# Allegro board FRDM-A-S32K356_PCBLayout.brd
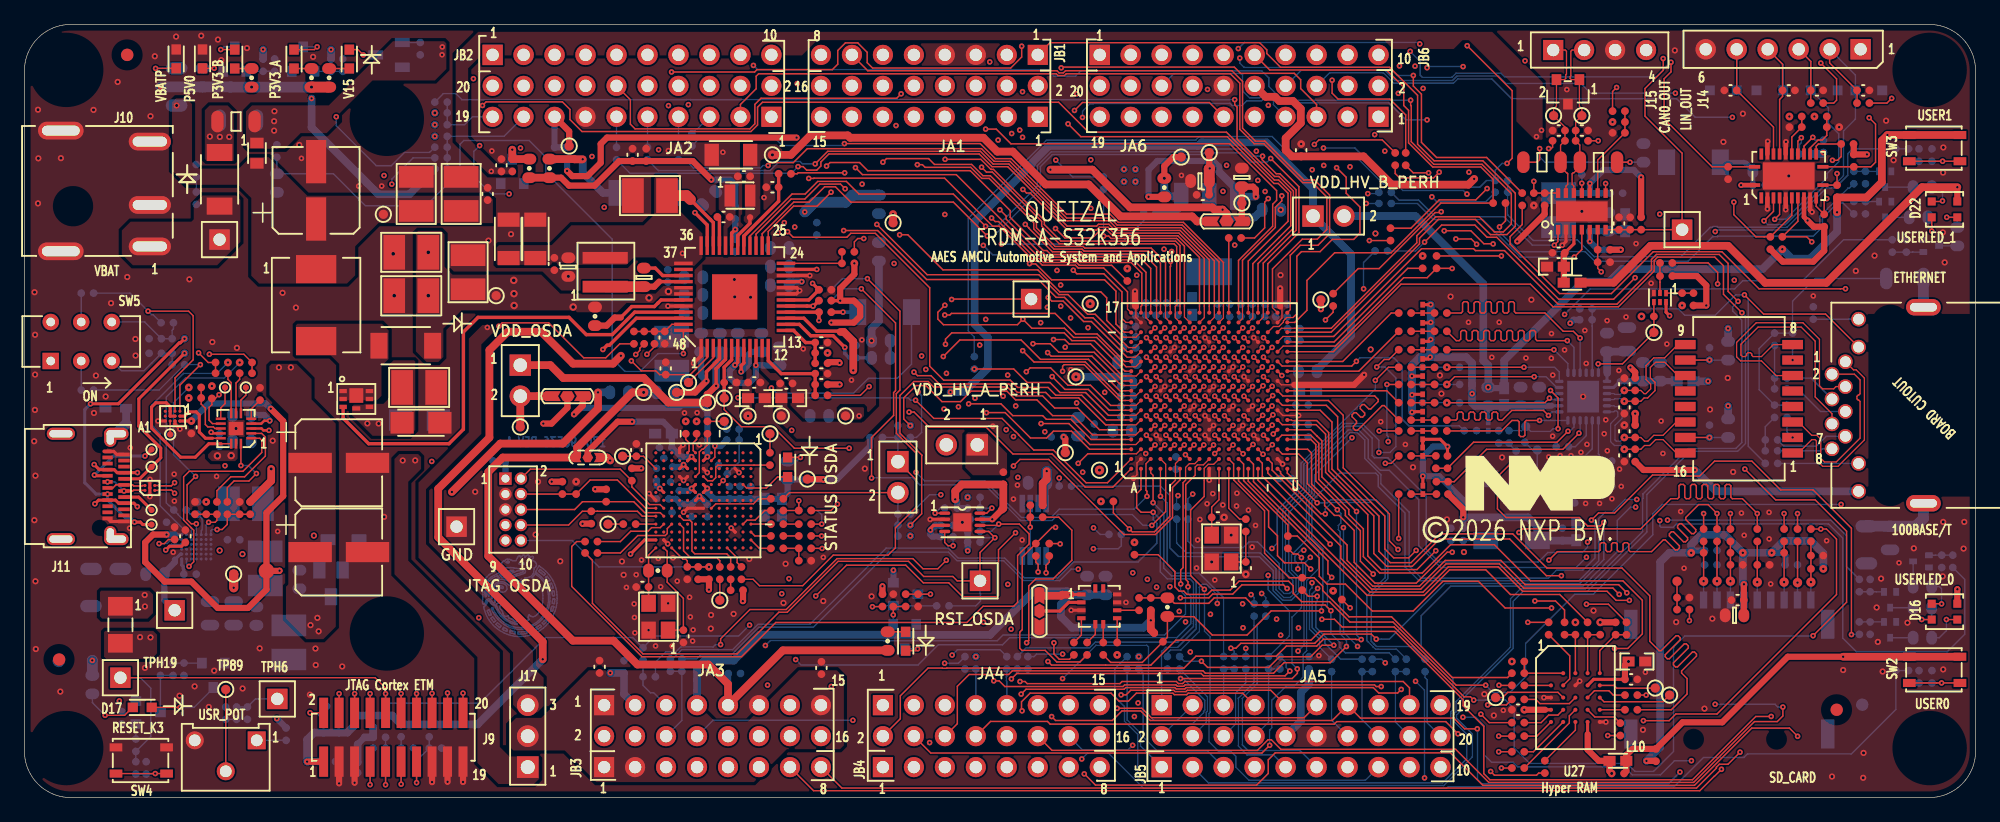
[diagram p0: board, top side]
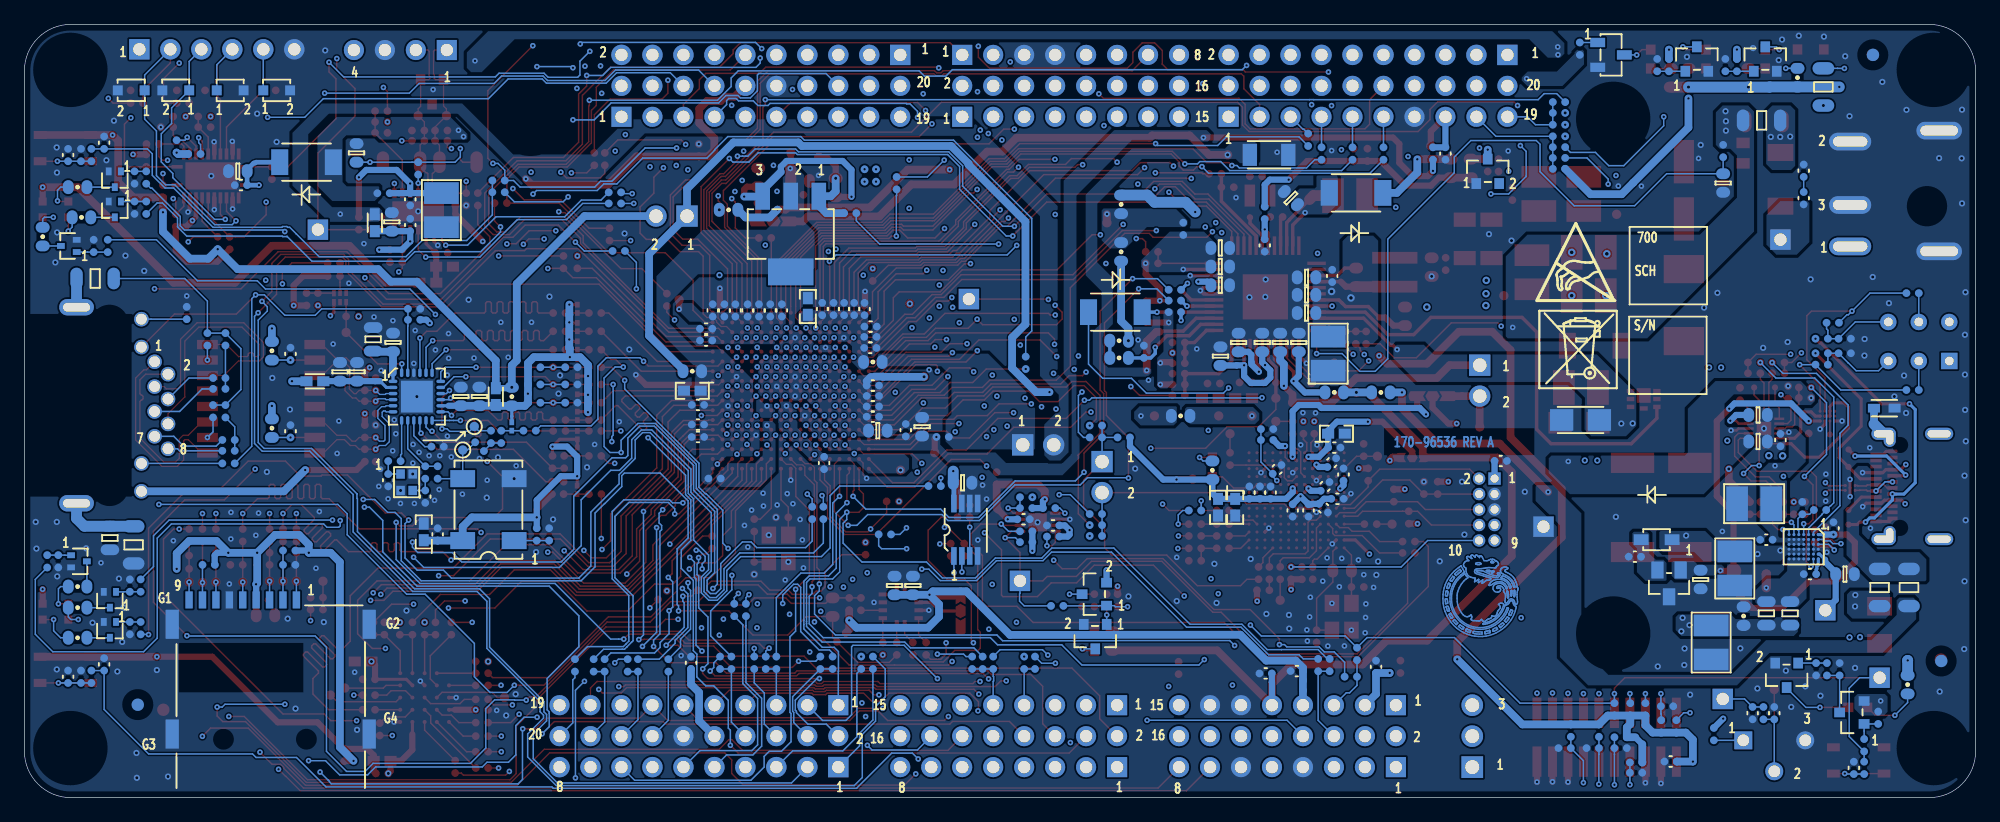
[diagram p1: board, bottom side, seen from below]

Outline 159.99 x 63.42 mm; copper layers: TOP, L2_GND_1, L3_INT_1, L4_INT_2, L5_PWR_1, BOTTOM. Coordinates in mm from the lower left corner of the outline.
Outline path: 0,59.61 0,3.81 arc(1.12,1.12) 3.81,0 156.18,0 arc(158.88,1.12) 159.99,3.81 159.99,59.61 arc(158.88,62.31) 156.18,63.42 3.81,63.42 arc(1.12,62.31) 0,59.61

## Design rules (mm)
constraint set DEFAULT: min track width 0.118
net group ACC_WAKE_UP: nets ACC_WAKE_UP PTE24
net group CAN0_ERRN: nets CAN0_ERRN PTA11
net group CAN0_RX: nets CAN0_RX PTA6
net group CAN0_TX: nets CAN0_TX PTA7
net group CAN0_WAKE: nets CAN0_WAKE PTE25
net group DP1: nets CAN_H_OUT CAN_L_OUT
net group EN_SNK: nets EN_SNK USBC_EN_SNK1
net group EN_SRC: nets EN_SRC USBC_EN_SRC1
net group ENET_CON_RX: nets ENET_CON_RXN ENET_CON_RXP
net group ENET_CON_TX: nets ENET_CON_TXN ENET_CON_TXP
net group ENET_RX: nets ENET_RXN ENET_RXP
net group ENET_TX: nets ENET_TXN ENET_TXP
net group EPHY_ANEN_S: nets EPHY_ANEN_S N31273886
net group FS26_FCCU1: nets FS26_FCCU1 PTE15
net group FS26_FCCU2: nets FS26_FCCU2 PTE16
net group FS26_FS0B: nets FS26_FS0B PTD23
net group FS26_FS1B: nets FS26_FS1B PTD24
net group FS26_INTB: nets FS26_INTB PTE18
net group FS26_VMONEXT_0V8: nets FS26_VMONEXT_0V8 N31253599
net group FS26_VPRE: nets N31252632 VPRE_SW
net group LD_NFLT: nets LD_NFLT LD_NINT
net group LED_BLUE_0: nets LED_BLUE_0 N31281323
net group LED_BLUE_1: nets LED_BLUE_1 N31950383
net group LED_GREEN_0: nets LED_GREEN_0 N31281236
net group LED_GREEN_1: nets LED_GREEN_1 N31950366
net group LED_RED_0: nets LED_RED_0 N31281170
net group LED_RED_1: nets LED_RED_1 N31950347
net group LIN1_OUT: nets LIN1_OUT LIN_1_OUT
net group LIN1_RX: nets LIN1_RX PTB9
net group LIN1_TX: nets LIN1_TX PTB10
net group LIN2_OUT: nets LIN2_OUT LIN_2_OUT
net group LIN2_RX: nets LIN2_RX PTE5
net group LIN2_TX: nets LIN2_TX PTE4
net group LIN3_RX: nets LIN3_RX PTH5
net group LIN3_TX: nets LIN3_TX PTH4
net group LIN4_RX: nets LIN4_RX PTH7
net group LIN4_TX: nets LIN4_TX PTH6
net group N31252925: nets N31252925 N31929135
net group N31264311: nets N31264311 N31264589
net group N31266068: nets N31266043 N31266068
net group N31282766: nets N31282741 N31282766
net group N32028656: nets N32028656 N32028686
net group POWER_EN: nets N31265953 POWER_EN
net group PTB14: nets N31295922 PTB14
net group PTB15: nets N31295924 PTB15
net group PTB16: nets N31295926 PTB16
net group PTB17: nets N31295928 PTB17
net group PTB21: nets N31297074 PTB21
net group PTB30: nets N31953777 PTB30
net group PTC0: nets PTC0 QSPI_IO4
net group PTC1: nets PTC1 QSPI_A_RDS
net group PTC2: nets PTC2 QSPI_IO3
net group PTC17: nets PTC17 QSPI_IO7
net group PTD13: nets N31297068 PTD13
net group PTE19: nets N31953748 PTE19
net group PTH11: nets PTH11 TEMP_ALERT
net group QSPI_A_CS: nets PTC3 QSPI_A_CS
net group QSPI_IO0: nets QSPI_IO0 QSPI_IO0_PTD11
net group QSPI_IO1: nets QSPI_IO1 QSPI_IO1_PTD7
net group QSPI_IO2: nets QSPI_IO2 QSPI_IO2_PTD12
net group QSPI_IO5: nets QSPI_IO5 QSPI_IO5_PTD9
net group QSPI_IO6: nets QSPI_IO6 QSPI_IO6_PTD8
net group QSPI_RST_PTA28: nets N31948194 QSPI_RST_PTA28
net group SDA_EXTAL_16MHZ: nets SDA_EXTAL_16MHZ SDA_XTAL_16MHZ
net group SDA_LVLRST_EN: nets N31264544 SDA_LVLRST_EN
net group SDA_SWD_EN: nets N31264611 SDA_SWD_EN
net group SDA_SWD_OE: nets N31264493 SDA_SWD_OE
net group SDA_USB_DN: nets SDA_USB_DN USB1_DN
net group SDA_USB_DP: nets SDA_USB_DP USB1_DP
net group USDHC_CLK: nets USDHC_CLK USDHC_CLK_PTA30
net group USDHC_CMD: nets PTB26 USDHC_CMD
net group USDHC_D0: nets USDHC_D0 USDHC_D0_PTA31
net group USDHC_D1: nets PTB18 USDHC_D1
net group USDHC_D2: nets PTB19 USDHC_D2
net group USDHC_D3: nets USDHC_D3 USDHC_D3_PTA29
net group USDHC_WP_RST_PTE12: nets N31949071 USDHC_WP_RST_PTE12
net group VTRG_FAULT_B: nets N31265932 VTRG_FAULT_B
net group XO: nets N31274488 XO
net group XTAL: nets N32010443 XTAL
net group ACC_I2C_SCL: nets ACC_I2C_SCL LD_I2C_SCL N31295856 PTC7 PTC28 TEMP_I2C_SCL USBC_I2C_SCL
net group ACC_INT2: nets ACC_I2C_SDA ACC_INT1 ACC_INT2 LD_I2C_SDA N31247271 N31295854 N31296996 PTB20 PTC6 PTC29 PTE3 PTH9 TEMP_I2C_SDA USBC_I2C_SDA
net group ADC_POT0: nets ADC_POT0 POT PTA17 PTC23
net group CAN0_EN: nets CAN0_EN N31953697 PTC21
net group CAN0_STB: nets CAN0_STB N31953719 PTC20
net group CON_CC1: nets CON_CC1 N31354711 USB_CC1_PD_OVP USBC_CC1
net group CON_CC2: nets CON_CC2 N31354733 USB_CC2_PD_OVP USBC_CC2
net group ENET_CON_NC4: nets ENET_CON_NC4 ENET_CON_NC5 ENET_CON_NC7 ENET_CON_NC8 ENET_CT1 ENET_CT2 N31272754 N31272878 N31273064
net group ENETPHY_MII_RMII_MDIO: nets ENETPHY_MII_RMII_MDIO EPHY_MDIO PTD16
net group ENETPHY_MII_RMII_RX_ER: nets ENETPHY_MII_RMII_RX_ER EPHY_PME_EN PTC16
net group ENETPHY_MII_RMII_RXD0: nets ENETPHY_MII_RMII_RXD0 EPHY_RXD0 PTC14
net group ENETPHY_MII_RMII_RXD1: nets ENETPHY_MII_RMII_RXD1 EPHY_RXD1 PTB24
net group ENETPHY_MII_RMII_TX_CLK: nets ENETPHY_MII_RMII_TX_CLK EPHY_REFCLK N31274490 N31275038 PHY_50MHZ PTC19 XI
net group ENETPHY_MII_RMII_TXD1: nets ENETPHY_MII_RMII_TXD1 EPHY_TXD1 PTB29
net group EPHY_INTR: nets EPHY_INTR EPHY_INTRP N31296976 PTB27 PTE14
net group EPHY_MDC: nets ENETPHY_MII_RMII_MDC EPHY_MDC PTD17
net group EPHY_TXD0: nets ENETPHY_MII_RMII_TXD0 EPHY_TXD0 PTC18
net group EPHY_TXEN: nets ENETPHY_MII_RMII_TX_EN EPHY_TXEN PTE9
net group FS26_AMUX: nets FS26_AMUX N31252562 PTD4
net group FS26_VDEBUG: nets FS26_VDEBUG N31252222 N31332732 N31332843
net group FS26_WAKE1_IN: nets CAN0_INH FS26_WAKE1_IN LIN_INH N31265091 N31296560 OPENSDA_UART_RX PTA8 PTA16 PTE1
net group GMAC0_MII_RMII_RX_DV_RGMII_RXCTL: nets EPHY_PHYAD GMAC0_MII_RMII_RX_DV_RGMII_RXCTL PTC15
net group OPENSDA_UART_TX: nets N31265119 N31296407 N31297028 OPENSDA_UART_TX PTA9 PTA15 PTA18 PTE0
net group PTA21: nets N31296516 N31945803 PTA21 PTE21
net group PTA26: nets N31297058 N32025830 PTA26 PTE8 QSPI_RSTO_PTA26
net group PTA27: nets N32025708 PTA27 QSPI_INT_PTA27
net group PTC12: nets N31297062 PTC12 PTD14
net group PTD15: nets N31297060 N31949063 PTD15 USDHC_CDETECT
net group PTE7: nets N31265786 N31282673 N31282693 N31296755 N31945805 PTE7 RESET_MCU
net group QSPI_A_SCK: nets N31948515 QSPI_A_SCK QSPI_SCK_PTD10
net group RGBLED0_BLUE: nets N31281558 PTG31 RGBLED0_BLUE
net group RGBLED0_GREEN: nets N31281745 PTG30 RGBLED0_GREEN
net group RGBLED0_RED: nets N31281862 PTG29 RGBLED0_RED
net group RGBLED1_BLUE: nets N31950420 PTF23 RGBLED1_BLUE
net group RGBLED1_GREEN: nets N31950474 PTF22 RGBLED1_GREEN
net group RGBLED1_RED: nets N31950528 PTF21 RGBLED1_RED
net group SDA_RST_TGTMCU: nets N31264574 N31266029 SDA_RST_TGTMCU
net group SDA_SWD_DIN: nets JTAG_TDI JTAG_TMS/SWD_DIO N31265287 N31265321 SDA_SWD_DIN SDA_SWD_DOUT
net group SDA_SWD_SCK: nets JTAG_TCLK/SWD_CLK N31265256 SDA_SWD_SCK
net group SDA_SWD_SWO: nets JTAG_TDO N31265204 SDA_SWD_SWO
net group USB1_VBUS_IN: nets N31247155
net group USER_SW0: nets N31281949 PTH1 USER_SW0
net group USER_SW1: nets N31282387 PTC31 PTH3 USER_SW1
net group VCORE_SW: nets N31252893
net group VRC_CTRL_MCU: nets N31256137 PTE13 VRC_CTRL_MCU

## Placement (name value [footprint] x y rotation side)
C1  0.22UF  [CC0402_25]  14.1 49.16 90 bottom
C2  10uF  [CC1210]  32.13 49.52 90 top
C3  0.22UF  [CC0402_25]  37.99 49.52 90 top
C4  10uF  [CC1210]  31.72 44.73 180 top
C5  10uF  [CC1210]  36.38 43.09 90 top
C6  47uF  [CCE6P8X6P8X8MM]  23.92 49.81 90 top
C7  10uF  [CC1210]  31.72 41.17 180 top
C8  0.22UF  [CC0402_25]  52.76 42.79 90 bottom
C9  0.22UF  [CC0402_25]  14.1 51.42 90 bottom
C10  1UF  [CC0603_OV]  20.7 50.41 270 bottom
C11  10uF  [CC1210]  32.37 33.64 0 top
C12  1UF  [CC0603_OV]  61.94 42.03 180 bottom
C13  0.22UF  [CC0402_25]  58.29 45.29 270 bottom
C14  4.7uF  [CC0603_OV]  56.15 49.18 45 bottom
C15  22uF  [CC1206_TOL0P3]  41.89 45.83 90 top
C16  0.22UF  [CC0402_25]  61.34 50.07 180 top
C17  22uF  [CC1206_TOL0P3]  39.7 45.83 90 top
C18  0.22UF  [CC0402_25]  43.46 43.77 270 top
C19  0.1uF  [CC0603_OV]  50.8 42.67 270 top
C20  1UF  [CC0603_OV]  61.94 45.09 180 bottom
C21  0.1uF  [CC0603_OV]  61.94 43.56 180 bottom
C22  10uF  [CC1210]  51.29 49.38 180 top
C23  0.047uF  [CC0402_25]  57.33 47.63 0 top
C24  22uF  [CC1206_TOL0P3]  57.94 52.72 180 bottom
C25  22uF  [CC1206_TOL0P3]  57.94 52.72 180 top
C26  0.22UF  [CC0402_25]  59 50.96 180 top
C27  0.01UF  [CC0402_25]  65.35 37.33 0 top
C28  0.01UF  [CC0402_25]  65.35 34.78 0 top
C29  1UF  [CC0603_OV]  58.49 37.33 90 bottom
C30  2.2uF  [CC0603_OV]  55.5 37.33 90 bottom
C31  2.2uF  [CC0603_OV]  57.02 37.33 90 bottom
C32  1UF  [CC0603_OV]  61.92 36.21 90 bottom
C33  10uF  [CC0603]  62.75 32.77 0 top
C34  0.22UF  [CC0402_25]  62.48 33.97 0 top
C35  10uF  [CC0603]  60.03 32.77 0 top
C36  0.22UF  [CC0402_25]  59.85 34.05 0 top
C37  2.2uF  [CC0603_OV]  60.43 37.33 90 bottom
C39  0.22UF  [CC0402_25]  39.12 51.87 90 top
C40  0.22UF  [CC0402_25]  49.87 52.72 90 top
C41  1UF  [CC0603_OV]  86.39 30.42 90 bottom
C42  0.22UF  [CC0402_25]  87.73 30.14 90 bottom
C43  10uF  [CC0603]  95.75 40.28 90 bottom
C44  0.22UF  [CC0402_25]  91.96 40.08 90 bottom
C45  0.22UF  [CC0402_25]  90.61 38.64 180 bottom
C46  0.22UF  [CC0402_25]  90.63 36.89 180 bottom
C47  0.22UF  [CC0402_25]  92.78 40.08 90 bottom
C48  0.22UF  [CC0402_25]  94.42 27.44 270 bottom
C49  2.2uF  [CC0603_OV]  90.01 30.1 180 bottom
C50  0.1uF  [CC0402_25]  90.42 32.09 180 bottom
C51  0.1uF  [CC0402_25]  90.42 33.8 180 bottom
C52  0.1uF  [CC0402_25]  90.42 31.25 180 bottom
C53  0.1uF  [CC0402_25]  90.42 32.95 180 bottom
C54  10uF  [CC0603]  105.23 33.38 0 bottom
C55  0.22UF  [CC0402_25]  104.77 29.58 0 bottom
C56  0.22UF  [CC0402_25]  104.77 30.6 0 bottom
C57  0.22UF  [CC0402_25]  104.77 32.21 0 bottom
C58  0.1uF  [CC0402_25]  104.09 37.5 0 bottom
C59  0.1uF  [CC0402_25]  98.83 39.96 90 bottom
C60  0.1uF  [CC0402_25]  102.6 39.96 90 bottom
C61  0.1uF  [CC0402_25]  97.89 39.96 90 bottom
C62  1UF  [CC0603_OV]  96.39 50.58 180 top
C63  0.22UF  [CC0402_25]  96.63 49.45 180 top
C64  2.2uF  [CC0603_OV]  99.83 50.87 90 top
C65  10pF  [CC0402_25]  100.15 18.82 270 top
C66  10pF  [CC0402_25]  97.86 22.99 0 top
C67  4.7uF  [CC1210]  21.68 12.72 270 bottom
C68  4.7uF  [CC1210]  19.75 18.8 270 bottom
C69  47uF  [CC1210]  18.16 24.11 0 bottom
C70  0.1uF  [CC0402_25]  17.16 21.15 0 bottom
C71  0.1uF  [CC0402_25]  11.66 22.09 90 bottom
C72  0.01UF  [CC0402_25]  13.58 18.33 0 bottom
C73  1000pF  [CC0402_25]  13.2 21.44 90 top
C74  4.7uF  [CC0603_OV]  10.71 18.33 180 bottom
C75  2.2uF  [CC0603_OV]  17.84 31.38 0 bottom
C76  4.7uF  [CC0603_OV]  17.84 29.21 180 bottom
C77  0.1uF  [CC0402_25]  16 29.33 270 bottom
C78  0.1uF  [CC0402_25]  27.94 19.76 0 bottom
C79  2.2uF  [CC0603_OV]  22.55 17.89 270 bottom
C80  0.1uF  [CC0402_25]  13.69 30.38 270 top
C81  0.22UF  [CC0402_25]  52.32 24.51 180 bottom
C82  0.22UF  [CC0402_25]  53.47 23.75 225 bottom
C83  0.22UF  [CC0402_25]  53.34 25.53 135 bottom
C84  0.22UF  [CC0402_25]  59.55 25.02 90 bottom
C85  0.22UF  [CC0402_25]  56 23.55 270 bottom
C86  0.22UF  [CC0402_25]  52.8 27.48 135 bottom
C87  10uF  [CC0603]  60.71 23.82 270 bottom
C88  10uF  [CC0603]  62.12 23.82 270 bottom
C89  0.22UF  [CC0402_25]  51.83 26.5 90 bottom
C90  0.22UF  [CC0402_25]  57.81 25.02 90 bottom
C91  0.22UF  [CC0402_25]  58.68 25.02 90 bottom
C92  0.22UF  [CC0402_25]  54.7 23.55 270 bottom
C93  10pF  [CC0402_25]  54.04 13.23 270 top
C94  10pF  [CC0402_25]  50.67 17.28 180 top
C95  10uF  [CC0603]  52.41 29.85 180 bottom
C96  0.22UF  [CC0402_25]  52.58 28.71 180 bottom
C97  0.22UF  [CC0402_25]  75.64 22.33 0 bottom
C98  0.22UF  [CC0402_25]  78.07 22.83 180 bottom
C99  0.1uF  [CC0402_25]  50.18 28.51 90 top
C100  0.22UF  [CC0402_25]  57.28 26.92 135 bottom
C101  0.22UF  [CC0402_25]  38.94 27.62 180 bottom
C102  1UF  [CC0603_OV]  142.49 51.39 0 bottom
C103  0.22UF  [CC0402_25]  142.24 50.24 0 bottom
C104  100pF  [CC0402_25]  150.78 58.01 0 top
C105  100pF  [CC0402_25]  146.99 58.01 0 top
C106  10uF  [CC1210]  125.8 48.19 270 bottom
C107  0.22UF  [CC0402_25]  128.36 49.08 270 bottom
C108  1UF  [CC0603_OV]  129.87 47.22 90 bottom
C109  0.22UF  [CC0402_25]  128.36 46.97 90 bottom
C110  10uF  [CC0603]  125.54 43.55 180 top
C111  0.22UF  [CC0402_25]  125.8 44.69 180 top
C112  4700 PF  [CC0603_OV]  132.76 52.88 90 bottom
C113  100pF  [CC0402_25]  125.82 54.72 180 top
C114  100pF  [CC0402_25]  127.71 54.72 0 top
C115  0.22UF  [CC0402_25]  130.75 47.09 90 top
C116  1000pF  [CC1206_OV]  154.19 42.58 0 bottom
C117  15pF  [CC0402_25]  131.19 28.07 270 top
C118  15pF  [CC0402_25]  131.19 30.05 90 top
C119  15pF  [CC0402_25]  131.19 32 270 top
C120  15pF  [CC0402_25]  131.19 33.91 90 top
C121  0.1uF  [CC0402_25]  138.18 36.4 90 bottom
C122  0.1uF  [CC0603_OV]  129.77 37.34 90 bottom
C123  2.2uF  [CC0805_OV]  131.4 37.59 90 bottom
C124  0.1uF  [CC0603_OV]  132.72 34.93 90 bottom
C125  22uF  [CC0603_OV]  134.11 34.93 90 bottom
C126  0.1uF  [CC0603_OV]  124.21 32.9 90 bottom
C127  22uF  [CC0603_OV]  122.68 32.9 90 bottom
C128  1000pF  [CC1206_OV]  151.04 20.73 270 bottom
C129  22pF  [CC0402_25]  130.16 26.04 270 bottom
C130  22pF  [CC0402_25]  127.13 24.69 270 bottom
C131  10uF  [CC0603]  127.25 21.8 90 bottom
C132  0.22UF  [CC0402_25]  126.11 21.59 90 bottom
C143  0.22UF  [CC0402_25]  156.42 9.91 90 bottom
C144  0.22UF  [CC0402_25]  153.46 10.93 90 bottom
C145  0.22UF  [CC0402_25]  25 2.96 0 bottom
C146  0.22UF  [CC0402_25]  156.42 52.71 90 bottom
C147  0.22UF  [CC0402_25]  153.46 53.72 90 bottom
C148  1000pF  [CC0402_25]  9.99 2.44 90 bottom
C149  0.22UF  [CC0402_25]  16.51 6.93 90 bottom
C150  0.22UF  [CC0402_25]  104.69 53.1 90 top
C151  0.22UF  [CC0402_25]  43.47 52.83 270 bottom
C152  0.22UF  [CC0402_25]  58.21 10.19 0 bottom
C153  0.22UF  [CC0402_25]  55.66 10.38 0 bottom
C154  0.22UF  [CC0402_25]  47.16 10.73 90 top
C155  0.22UF  [CC0402_25]  49.17 10.73 90 bottom
C156  0.1uF  [CC0402_25]  65.35 10.64 90 top
C157  0.22UF  [CC0402_25]  105.33 11.06 90 bottom
C158  0.22UF  [CC0402_25]  18.29 6.93 270 bottom
C159  1UF  [CC0603_OV]  88.65 17.4 90 bottom
C160  0.1uF  [CC0603_OV]  87.14 17.4 90 bottom
C161  100uF  [CCE6P8X6P8]  25.78 27.46 0 top
C162  100uF  [CCE6P8X6P8]  25.78 20.14 0 top
C163  0.22UF  [CC0402_25]  93.64 40.08 90 bottom
C164  0.22UF  [CC0402_25]  90.62 37.79 180 bottom
C165  0.22UF  [CC0402_25]  91.11 40.08 90 bottom
C166  0.22UF  [CC0402_25]  94.58 40.08 90 bottom
C167  0.1uF  [CC0402_25]  99.76 39.96 90 bottom
C168  0.1uF  [CC0402_25]  101.7 39.96 90 bottom
C169  0.1uF  [CC0402_25]  104.09 38.46 0 bottom
C170  0.1uF  [CC0402_25]  100.69 39.96 90 bottom
C171  0.1uF  [CC0402_25]  103.55 39.96 90 bottom
C172  0.1uF  [CC0402_25]  138.18 30.05 90 bottom
C173  1uF  [CC0603_OV]  140.23 14.95 180 top
C174  0.22UF  [CC0402_25]  140.48 16.2 180 top
C175  10uF  [CC0603]  132.22 11.16 0 top
C176  0.22UF  [CC0402_25]  131.75 9.7 0 top
C177  0.22UF  [CC0402_25]  122.48 7.21 180 top
C178  100pF  [CC0402_25]  144.67 58.01 0 top
C179  100pF  [CC0402_25]  139.9 58.01 180 top
C180  0.1uF  [CC0603_OV]  83.07 25.82 180 bottom
C181  0.1uF  [CC0603_OV]  44.6 43.52 270 top
C182  0.01UF  [CC0402_25]  57.89 34.05 0 top
C183  4.7uF  [CC0603_OV]  54.86 42.67 0 bottom
C184  4.7uF  [CC0603_OV]  54.86 39.75 0 bottom
C185  0.1uF  [CC0603_OV]  54.86 41.24 0 bottom
C186  0.01UF  [CC0402_25]  52.51 37.73 270 top
C187  0.01UF  [CC0402_25]  52.59 35.2 90 top
C188  10uF  [CC1210]  53.09 36.42 270 bottom
C189  10uF  [CC1210]  35.81 49.52 90 top
D1  PMEG4050EP  [SOD-128]  16 50.71 90 top
D2  PMEG4050EP  [SOD-128]  31.27 37.07 0 top
D3  LED RED  [LED_0603]  12.45 60.59 90 top
D4  LED RED  [LED_0603]  14.61 60.59 90 top
D5  LED RED  [LED_0603]  17.25 60.58 90 top
D6  LED RED  [LED_0603]  26.64 60.58 90 top
D7  BZX84-A7V5  [SOT23_A]  40.01 51.37 180 bottom
D8  BAT54HT1  [SOD323]  26.16 21.15 270 bottom
D9  LED ORANGE  [LED_0603_H020]  62.58 27.1 270 top
D10  LED RED  [LED_0603]  72.26 12.83 270 top
D11  PMEG4050EP  [SOD-128]  136.86 52.12 0 bottom
D14  PESD1IVN27-AX  [SOD323_BID]  151.24 58.01 0 bottom
D15  PESD1IVN27-AX  [SOD323_BID]  147.58 58.01 0 bottom
D16  RGB  [LED4_2P7X2P6_SM]  157.45 15.25 180 top
D17  LED RED  [LED_0603]  9.66 7.4 0 top
D18  LED RED  [LED_0603]  22.11 60.58 90 top
D20  PMEG6045ETP  [SOD-128]  50.8 49.6 180 bottom
D21  PMEG4050EP  [SOD-128]  70.54 39.82 180 bottom
D22  RGB  [LED4_2P7X2P6_SM]  157.45 48.25 180 top
D23  PESD1IVN27-AX  [SOD323_BID]  143.12 58.01 180 bottom
D24  PESD1IVN27-AX  [SOD323_BID]  139.31 58.01 180 bottom
F1  MFU0603FF04000P500  [FUSE_1P6X0P8_22H]  19.07 52.86 270 top
F2  MFU1206FF06300P500  [FUSE_3P2X1P6]  7.87 14.18 270 top
J7  RJ45X2_LEDYG  [CON12P_1P02_16P48X15P5_RA_TH]  149.32 35.75 90 top
J9  HDR 2X10 SMT  [HDR_2X10_13P0X3P5_SMT]  30.25 4.95 0 top
J10  CON PWR 3  [CON3_PWR_JACK_TH_PJ051A]  10.29 45.21 0 top
J11  USB_TYPE_C  [CON_TYPE-C_20MIL_RA_LDI]  4.32 25.52 270 top
J12  HDR1X2  [HDR1X2_5P48X2P69]  71.63 27.56 270 top
J13  HDR 2X5  [HDR205_50_TH_172H]  39.44 26.17 270 top
J14  CON 1X6 SKT  [CON1X6_2P54MM_TH]  150.57 61.38 180 top
J15  CON_1X4  [CON_SKT1X4_TH_346H]  125.36 61.32 90 top
J16  CON_SD_CARD_9  [CON9_SDCARD_1P1_15P05X14P75_SM]  139.8 8.19 180 bottom
J17  HDR 1X3  [HDR103_A]  41.27 2.5 180 top
JA1  CON 2x8  [CON_2X8_SKT_100_TH]  83.1 55.84 180 top
JA2  CON 2x10  [CON_SKT2X10_TH]  61.25 55.84 270 top
JA3  CON 2x8  [CON_2X8_SKT_100_TH]  47.54 7.58 0 top
JA4  CON 2x8  [CON_2X8_SKT_100_TH]  70.4 7.58 0 top
JA5  CON 2x10  [CON_SKT2X10_TH]  93.26 7.58 90 top
JA6  CON 2x10  [CON_SKT2X10_TH]  111.04 55.84 270 top
JB1  CON_1X8  [CON_SKT1X8_TH_380H]  83.1 60.92 270 top
JB2  CON_1X10  [CON1X10_2P54MM_TH]  38.39 60.92 0 top
JB3  CON_1X8  [CON_SKT1X8_TH_380H]  47.54 2.5 90 top
JB4  CON_1X8  [CON_SKT1X8_TH_380H]  70.4 2.5 90 top
JB5  CON_1X10  [CON1X10_2P54MM_TH]  93.26 2.5 0 top
JB6  CON_1X10  [CON1X10_2P54MM_TH]  88.18 60.92 0 top
JP4  HDR1X2  [HDR1X2_5P48X2P69]  78.14 28.94 180 top
JP5  HDR1X2  [HDR1X2_5P48X2P69]  105.66 47.7 0 top
JP11  HDR1X2  [HDR1X2_5P48X2P69]  40.66 35.47 270 top
L1  4.7uH  [IND2_7P4X6P9_SM]  23.92 40.4 270 top
L2  8.2uH  [IND2_XAL40]  47.62 43.09 90 top
L3  1.0uH  [IND_2016A]  58.68 49.38 0 top
L4  300Ohms@100MHz  [IND_1P8X1MM_SM]  7.49 31.94 180 bottom
L6  BLM18KG121TZ1  [IND_0603]  126.91 42.24 0 top
L7  BLM18KG121TZ1  [IND_0603]  131.26 47.15 90 bottom
L8  470 Ohm  [IND_0603]  136.17 34.15 0 bottom
L9  120 OHM@100MHz  [IND_0603]  121.34 32.89 270 bottom
L10  BLM18KG121TZ1  [IND_0603]  130.66 3.02 180 top
NOREF  -  []  85.09 30.28 90 top
NOREF#2  -  []  144.99 28.27 90 top
NOREF#3  -  [unnamed#2]  156.22 4.06 0 top
NOREF#4  -  []  127.06 49.59 0 top
NOREF#5  -  []  65.32 5.04 90 top
NOREF#6  -  []  75.46 21.83 0 top
NOREF#7  -  []  11.95 30.89 0 top
NOREF#8  -  []  151.72 32.64 0 top
NOREF#9  -  []  133.61 40.65 90 top
NOREF#10  -  []  16.51 2.16 0 top
NOREF#11  -  []  16.1 29.48 90 top
NOREF#12  -  []  13.09 -4.39 90 top
NOREF#13  -  []  16.1 31.08 0 top
NOREF#14  -  []  131.6 26.92 90 top
NOREF#15  -  []  162.38 25.18 90 top
NOREF#16  -  []  142.42 52.79 0 top
NOREF#17  -  []  44.8 36.94 90 top
NOREF#18  -  []  27.87 44.1 90 top
NOREF#19  -  []  30.69 31.88 90 top
NOREF#20  -  []  129.5 26.92 0 top
NOREF#21  -  []  8.17 22.65 90 top
NOREF#22  -  []  134.39 41.52 90 top
NOREF#23  -  []  136.19 37.16 0 top
NOREF#24  -  []  126.56 30.94 0 top
NOREF#25  -  []  105.81 49.27 90 top
NOREF#26  -  []  146.49 16.22 0 top
NOREF#27  -  []  151.72 38.88 90 top
NOREF#28  -  []  131.72 14.22 90 top
NOREF#29  -  []  62.9 59.57 90 top
NOREF#30  -  []  150.4 39.24 90 top
NOREF#31  -  []  45.89 3.7 0 top
NOREF#32  -  []  141.87 51.74 0 top
NOREF#33  -  []  158.8 16.5 0 top
NOREF#34  -  []  65.32 58.38 0 top
NOREF#35  -  []  88.18 5.04 90 top
NOREF#36  -  []  43.27 32.93 0 top
NOREF#37  -  []  130.01 46.54 0 top
NOREF#38  -  []  42.06 46.45 90 top
NOREF#39  -  [unnamed#2]  118.49 55.68 0 top
NOREF#40  -  []  142.72 4.79 0 top
NOREF#41  -  []  -29.16 -186.64 0 top
NOREF#42  -  []  156.4 47.6 90 top
NOREF#43  -  []  60.49 36.87 0 top
NOREF#44  -  []  68.34 39.82 0 top
NOREF#45  -  []  24.54 2.95 0 top
NOREF#46  -  []  9.31 35.51 0 top
NOREF#47  -  []  144.99 28.27 90 top
NOREF#48  -  []  156.4 47.6 0 top
NOREF#49  -  []  115.73 21.96 0 top
NOREF#50  -  []  26.14 32.05 0 top
NOREF#51  -  []  148.22 28.61 0 top
NOREF#52  -  []  136.87 4.79 0 top
NOREF#53  -  []  9.31 30.07 90 top
NOREF#54  -  []  75.76 29.03 90 top
NOREF#55  -  []  150.4 27.41 90 top
NOREF#56  -  []  0.22 30.07 0 top
NOREF#57  -  []  27.22 31.92 90 top
NOREF#58  -  []  40.66 32.93 90 top
NOREF#59  -  []  54.04 43.82 0 top
NOREF#60  -  []  72.54 41.17 0 top
NOREF#61  -  []  30.82 29.85 90 top
NOREF#62  -  []  131.72 5.22 90 top
NOREF#63  -  []  156.4 14.6 0 top
NOREF#64  -  []  66.96 3.7 90 top
NOREF#65  -  []  52.8 50.95 0 top
NOREF#66  -  []  7.51 1.97 0 top
NOREF#67  -  []  125.76 49.59 0 top
NOREF#68  -  []  28.27 31.65 90 top
NOREF#69  -  []  38.75 42.18 0 top
NOREF#70  -  []  19.05 4.7 90 top
NOREF#71  -  []  154.56 9.41 0 top
NOREF#72  -  []  55.49 36.87 90 top
NOREF#73  -  []  71.63 25.02 90 top
NOREF#74  -  []  10.69 25.2 90 top
NOREF#75  -  []  30.69 31.88 0 top
NOREF#76  -  []  145.87 50.39 90 top
NOREF#77  -  []  49.29 -56.3 0 top
NOREF#78  -  []  148.03 61.38 0 top
NOREF#79  -  []  168.2 62.73 90 top
NOREF#80  -  []  86.53 59.58 0 top
NOREF#81  -  []  70.4 5.04 0 top
NOREF#82  -  []  93.26 2.5 0 top
NOREF#83  -  []  20.47 44.1 0 top
NOREF#84  -  [unnamed#2]  29.72 13.46 0 top
NOREF#85  -  []  105.66 47.7 0 top
NOREF#86  -  []  125.86 33.64 90 top
NOREF#87  -  []  23.92 37.45 90 top
NOREF#88  -  []  11.3 31.94 0 top
NOREF#89  -  []  62.45 43.32 90 top
NOREF#90  -  [unnamed#3]  148.6 7.21 0 top
NOREF#91  -  [unnamed#3]  2.85 11.33 0 top